# Altium PCB main_pcb.PcbDoc
Units mm, origin at the board's own origin, x right, y up, seen from the top; angles counter-clockwise.
Board outline 91.82 x 45.09 mm, 4 copper layers (Top Layer, GND, PWR, Bottom Layer), stack 1.632 mm thick; 105 components, 51 nets, 306 pads, 165 vias.
Unrouted connection lines stored in the file: 44.
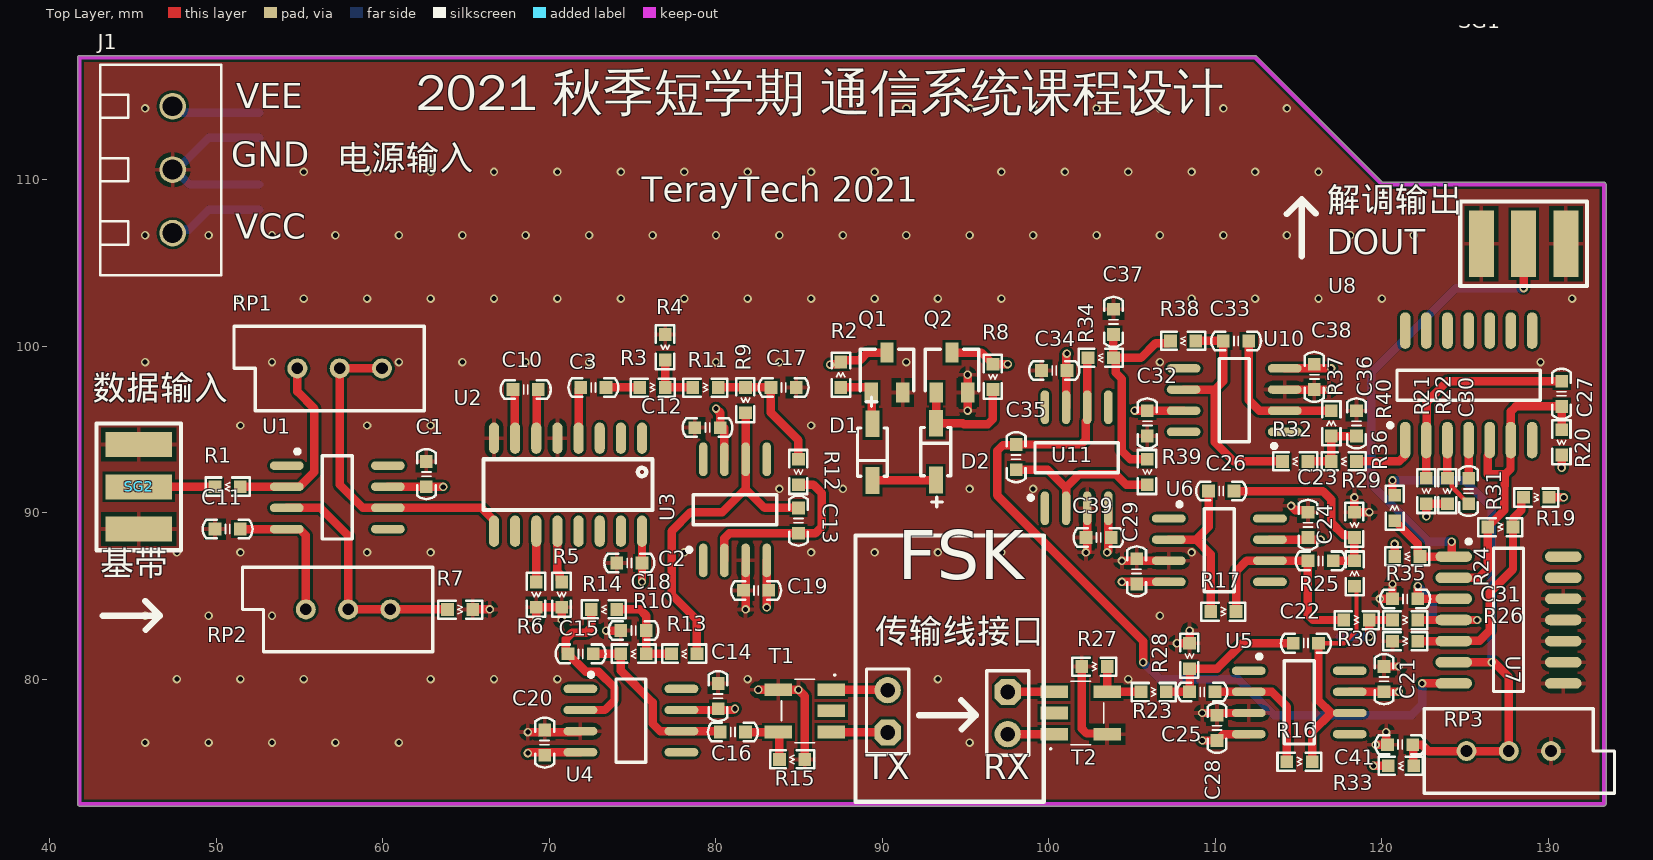
[diagram p0: Top Layer view]
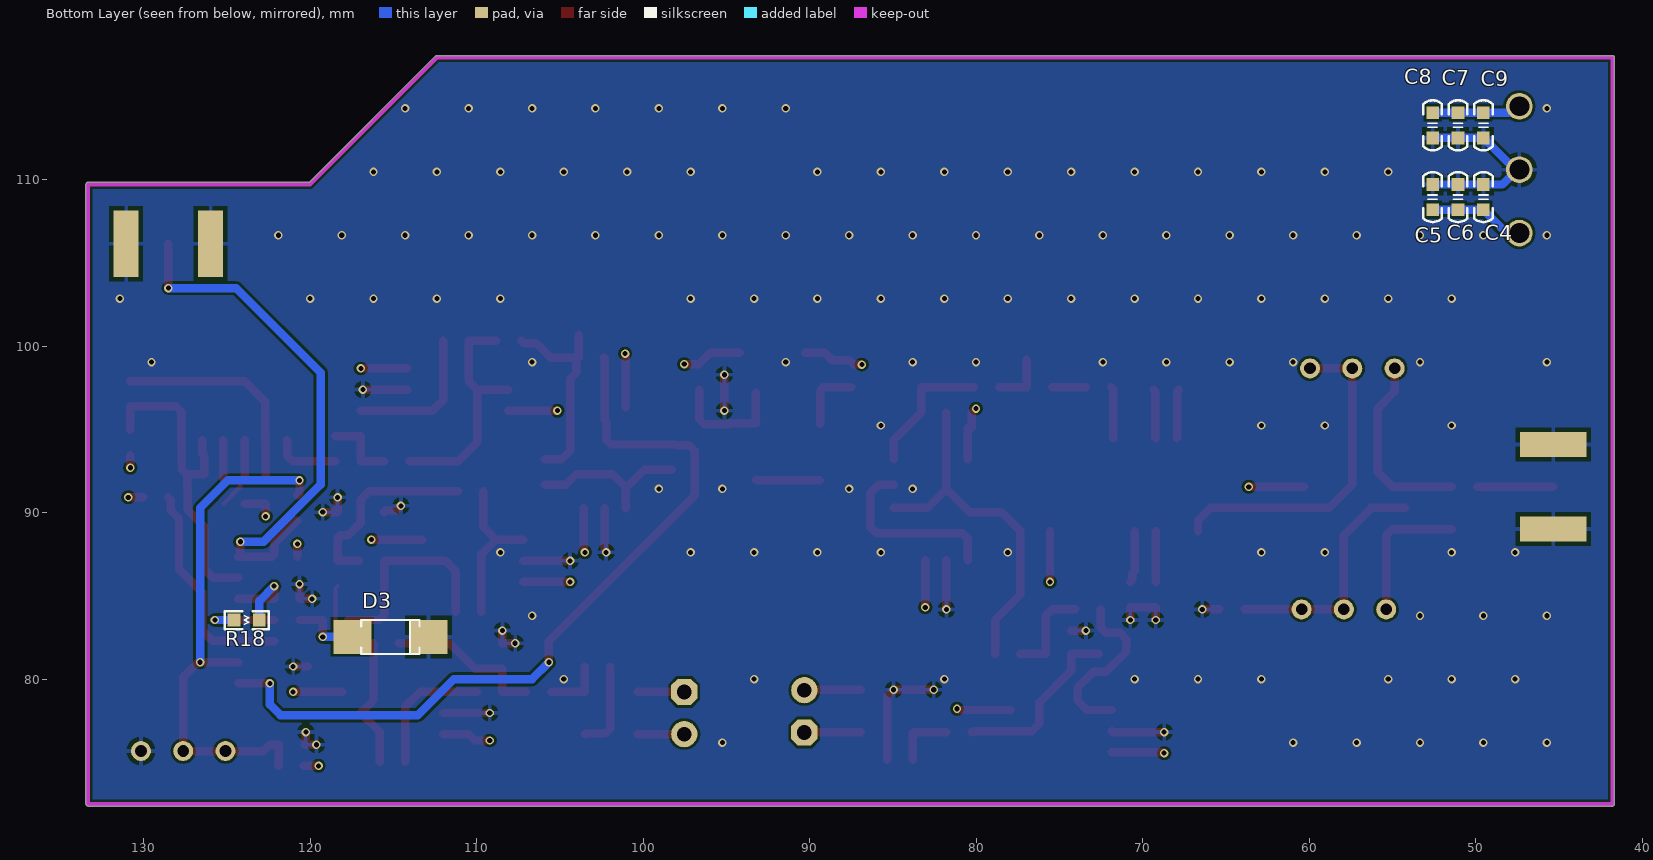
[diagram p1: Bottom Layer view, seen from below]
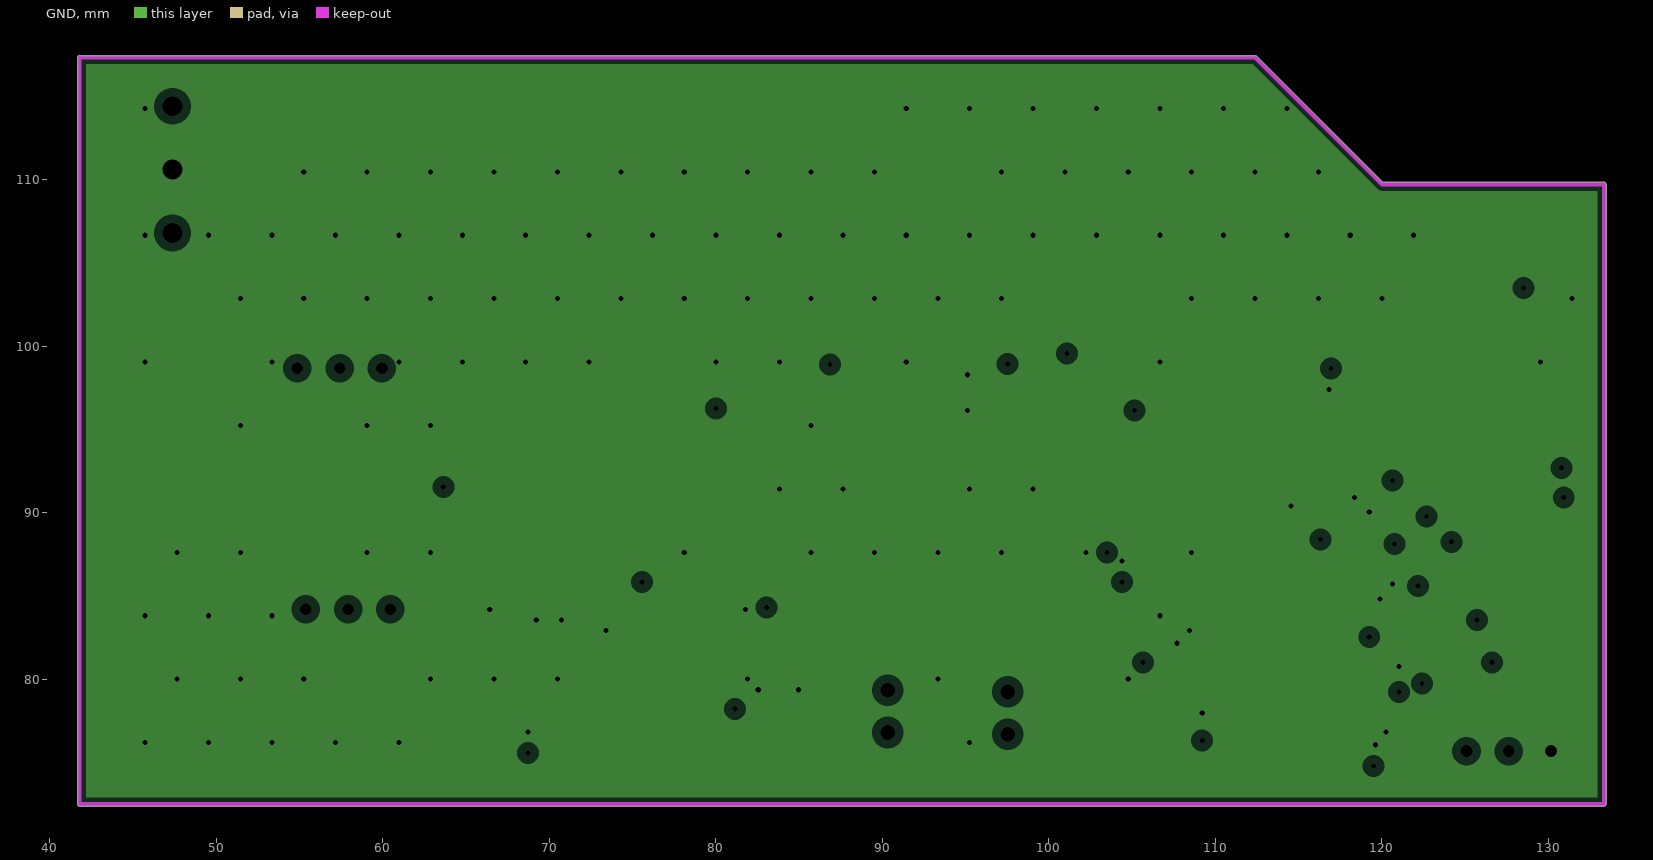
[diagram p2: GND, clearances drawn from the general rule]
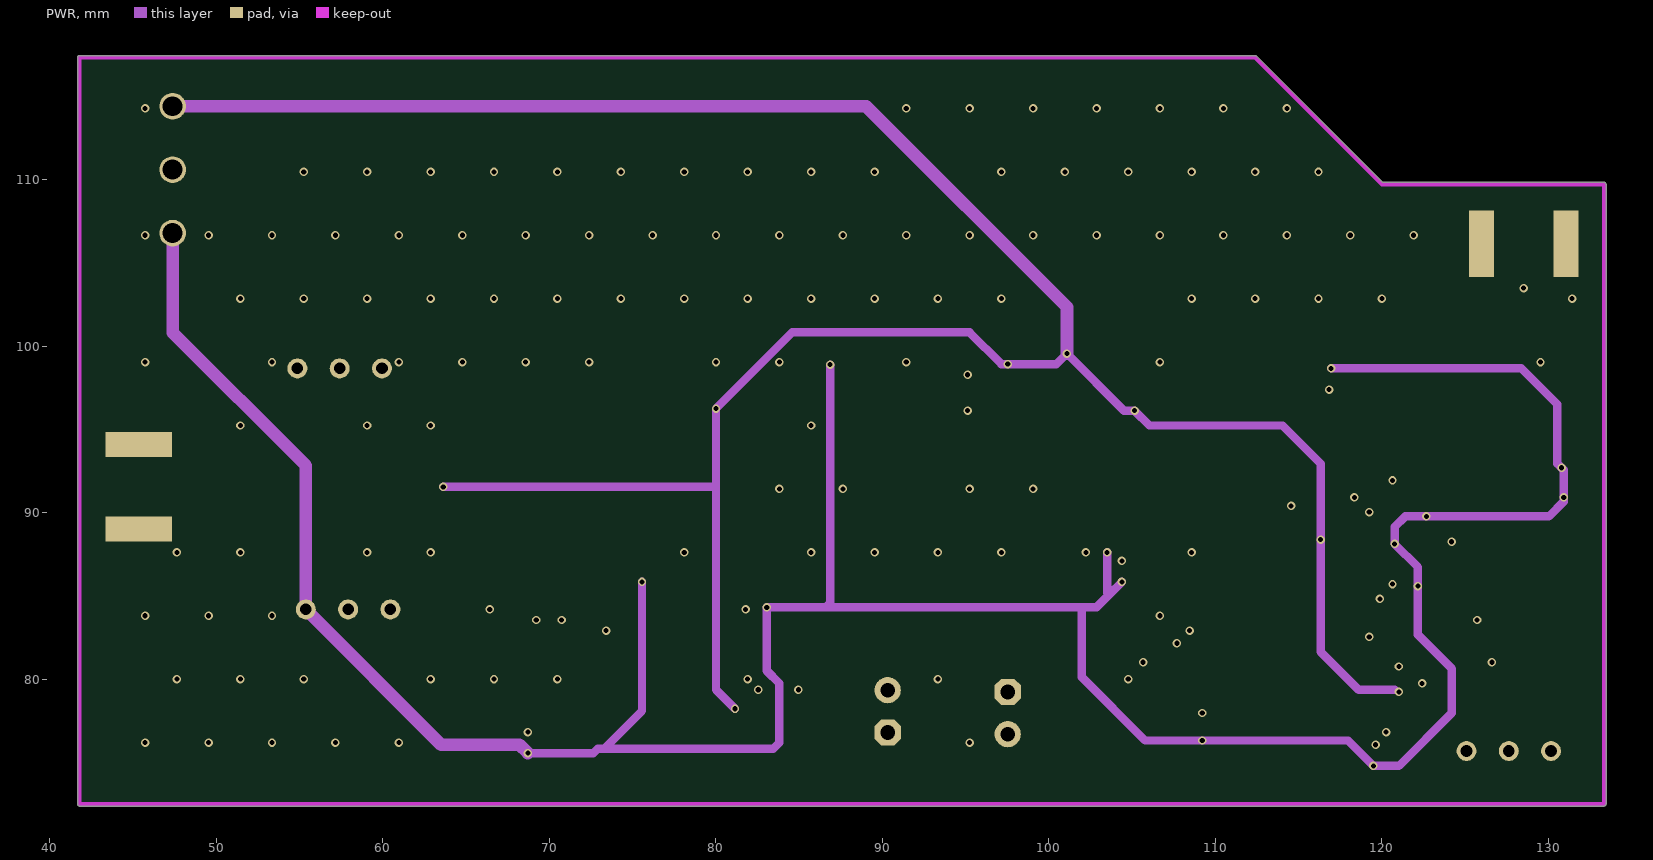
[diagram p3: PWR]
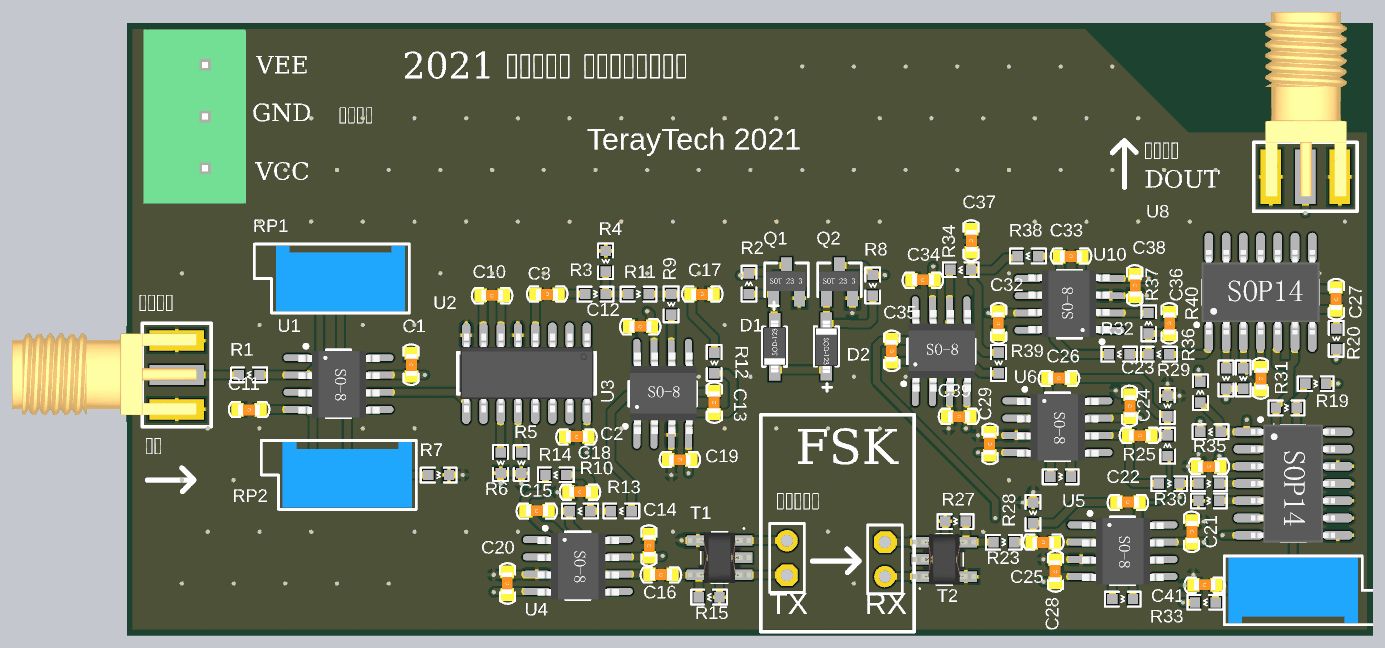
[diagram p4: 3D render of the assembled board from above, using the file's embedded part models]
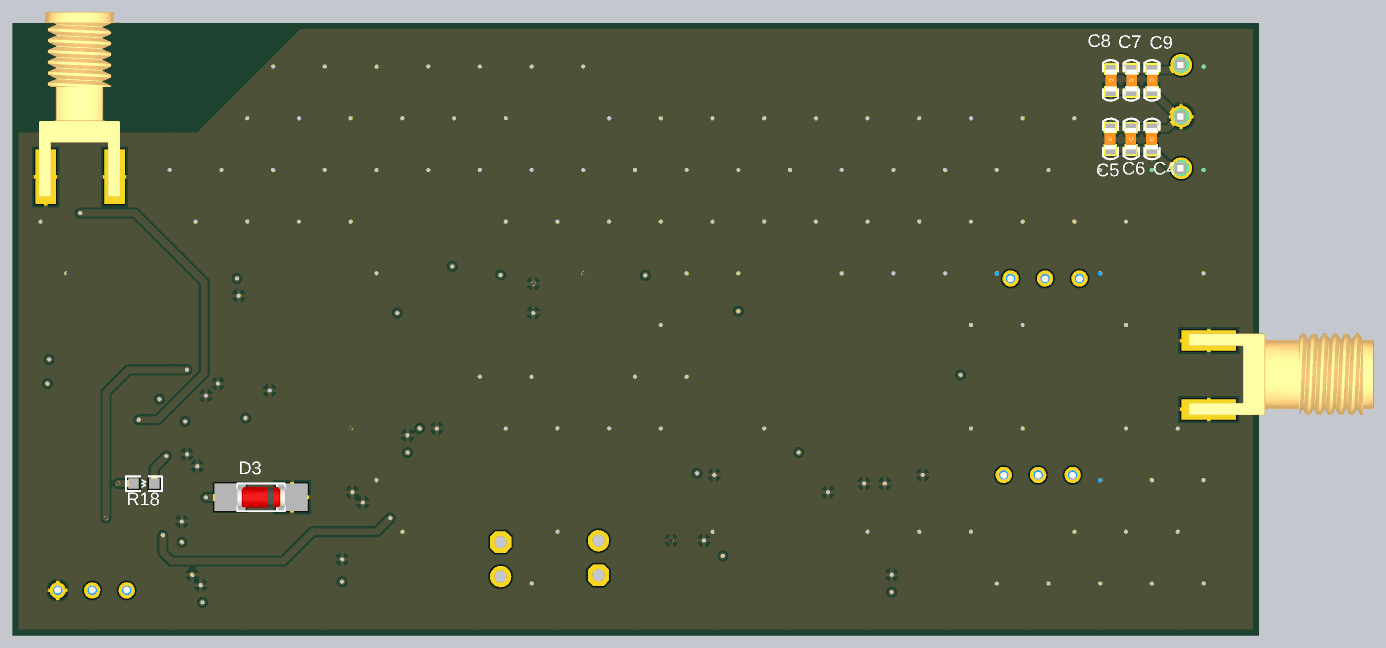
[diagram p5: 3D render of the assembled board from below, using the file's embedded part models]

## Layer stack, top to bottom
Top Solder: solder mask 0.0102, Solder Resist, Dk 3.5
Top Layer: signal copper 0.0356
Dielectric 2: prepreg 0.0711, PP-006, Dk 4.1
GND: plane copper 0.035, net GND
Dielectric 3: prepreg 1.1, PP-006, Dk 4.1
PWR: signal copper 0.035
Dielectric 1: dielectric 0.32, FR-4, Dk 4.8
Bottom Layer: signal copper 0.0356
Bottom Solder: solder mask 0.0102, Solder Resist, Dk 3.5

## Board outline
41.783,72.39 cw(c41.783,72.517) 41.656,72.517 41.656,117.348 cw(c41.783,117.348) 41.783,117.475 112.395,117.475 cw(c112.395,117.348) 112.486,117.438 112.485,117.438 120.068,109.855 133.35,109.855 cw(c133.35,109.728) 133.477,109.728 133.477,72.517 cw(c133.35,72.517) 133.35,72.39

## Design rules (kind name [scope] priority, off if disabled: settings)
Clearance [All] p1: gap=0.152 ignorepadtopadclearanceinfootprint=FALSE except(0: Arc-Hole Track-Hole SMDPad-Hole THPad-Hole Via-Hole Fill-Hole Poly-Hole Region-Hole Text-Hole; 0.254: Arc-Text Track-Text SMDPad-Text THPad-Text Via-Text Fill-Text Poly-Text Region-Text Text-Text)
PlaneClearance [All] p1: clearance=0.508
PlaneConnect [All] p1: planeconnectstyle=Direct reliefexpansion=0.508 reliefentries=4 reliefconductorwidth=0.254 reliefairgap=0.254
PolygonConnect [All] p1: connectstyle=Relief reliefconductorwidth=0.254 reliefentries=4 polygonreliefangle="90 Angle" airgapwidth=0.254
RoutingVias [All] p1: holewidth=0.305 width=0.508 viastyle="Through Hole" minholewidth=0.305 minwidth=0.508 maxholewidth=0.711 maxwidth=1.27
SolderMaskExpansion [All] p1: expansion=0.102 istentingtop=FALSE
Width [All] p1: maxlimit=0.762 minlimit=0.152 preferedwidth=0.254 toplayer_maxwidth=0.508 midlayer1_minwidth=0.254 bottomlayer_maxwidth=0.508 minimp=50.000000 maximp=50.000000 favimp=50.000000
28 further rules are at their usual default settings.

## Components (designator, comment, footprint, x,y, rotation, side; value= is the part's Value field where it differs from the comment)
C1 "0.1uF" 0603_C 62.611,92.329 r270 top value=104
C2 "0.1uF" 0603_C 74.803,86.995 r0 top value=104
C3 "0.1uF" 0603_C 72.644,97.536 r180 top value=104
C4 "0.1uF" 0603_C 49.53,108.966 r90 bottom value=104
C5 "0.1uF" 0603_C 52.578,108.966 r90 bottom value=104
C6 "0.1uF" 0603_C 51.054,108.966 r90 bottom value=104
C7 "0.1uF" 0603_C 51.054,113.284 r270 bottom value=104
C8 "0.1uF" 0603_C 52.578,113.284 r270 bottom value=104
C9 "0.1uF" 0603_C 49.53,113.284 r270 bottom value=104
C10 "3300pF" 0603_C 68.58,97.409 r0 top value=104
C11 "0.1uF" 0603_C 50.673,89.027 r180 top value=104
C12 "0.1uF" 0603_C 79.502,95.123 r0 top value=104
C13 "15pF" 0603_C 84.963,89.535 r90 top value=104
C14 "0.1uF" 0603_C 80.137,78.994 r270 top value=104
C15 "91pF" 0603_C 71.882,81.534 r0 top value=104
C16 "0.1uF" 0603_C 81.026,76.835 r0 top value=104
C17 "220pF" 0603_C 84.074,97.536 r180 top value=104
C18 "220pF" 0603_C 75.057,82.931 r0 top value=104
C19 "0.1uF" 0603_C 82.423,85.344 r180 top value=104
C20 "0.1uF" 0603_C 69.723,76.2 r90 top value=104
C21 "0.1uF" 0603_C 120.142,80.01 r270 top value=104
C22 "15pF" 0603_C 115.443,82.169 r0 top value=104
C23 "0.1uF" 0603_C 115.57,89.281 r270 top value=104
C24 "15pF" 0603_C 116.332,87.122 r180 top value=104
C25 "100pF" 0603_C 109.22,79.248 r180 top value=104
C26 "100pF" 0603_C 110.363,91.313 r0 top value=104
C27 "220pF" 0603_C 130.81,97.155 r90 top value=104
C28 "0.1uF" 0603_C 110.109,77.089 r90 top value=104
C29 "0.1uF" 0603_C 105.283,86.487 r90 top value=104
C30 "220pF" 0603_C 125.222,91.313 r270 top value=104
C31 "0.1uF" 0603_C 121.412,84.836 r180 top value=104
C32 "0.1uF" 0603_C 105.918,95.377 r90 top value=104
C33 "33pF" 0603_C 111.252,100.33 r180 top value=104
C34 "0.1uF" 0603_C 100.33,98.552 r0 top value=104
C35 "680pF" 0603_C 98.044,93.345 r90 top value=104
C36 "10nF" 0603_C 118.491,95.377 r270 top value=104
C37 "220pF" 0603_C 103.886,101.473 r270 top value=104
C38 "0.1uF" 0603_C 115.951,98.171 r270 top value=104
C39 "0.1uF" 0603_C 102.997,88.519 r180 top value=104
C41 "0.1uF" 0603_C 121.108,76.073 r0 top value=104
D1 "1N5819" SOD123 89.408,95.348 r90 top
D2 "1N5819" SOD123 93.218,91.977 r270 top
D3 "4148" DIODE_SOIC 114.935,82.677 r0 bottom
J1 "FK_CONN_3PIN" FK_CONN_3pin 47.371,106.807 r90 top
Q1 "NPN2" SOT-23-3 88.075,99.501 r0 top
Q2 "PNP2" SOT-23-3 91.983,99.501 r0 top
R1 "1K R0603" 0603_R 50.673,91.567 r0 top value=1K
R2 "10K R0603" 0603_R 87.503,98.298 r270 top value=1K
R3 "4.7K R0603" 0603_R 76.2,97.536 r180 top value=1K
R4 "1K R0603" 0603_R 76.962,99.949 r90 top value=1K
R5 "15K R0603" 0603_R 70.739,85.09 r90 top value=1K
R6 "2.4K R0603" 0603_R 69.215,85.09 r90 top value=1K
R7 "4.7K R0603" 0603_R 64.643,84.201 r180 top value=1K
R8 "100 R0603" 0603_R 96.647,98.171 r90 top value=1K
R9 "75K R0603" 0603_R 81.788,96.774 r90 top value=1K
R10 "33K R0603" 0603_R 75.057,81.534 r0 top value=1K
R11 "75K R0603" 0603_R 79.375,97.536 r180 top value=1K
R12 "62K R0603" 0603_R 84.963,92.456 r90 top value=1K
R13 "33K R0603" 0603_R 78.105,81.534 r0 top value=1K
R14 "15K R0603" 0603_R 73.279,84.201 r0 top value=1K
R15 "100 R0603" 0603_R 84.582,75.184 r0 top value=1K
R16 "200K R0603" 0603_R 115.062,75.057 r180 top value=1K
R17 "200K R0603" 0603_R 110.49,84.074 r180 top value=1K
R18 "100K R0603" 0603_R 123.825,83.566 r0 bottom value=1K
R19 "100K R0603" 0603_R 129.286,90.932 r180 top value=1K
R20 "5.1K R0603" 0603_R 130.81,94.234 r90 top value=1K
R21 "10K R0603" 0603_R 122.682,91.313 r90 top value=1K
R22 "10K R0603" 0603_R 123.952,91.313 r90 top value=1K
R23 "33K R0603" 0603_R 106.299,79.248 r180 top value=1K
R24 "33K R0603" 0603_R 118.364,86.36 r270 top value=1K
R25 "5.1K R0603" 0603_R 118.491,83.566 r180 top value=1K
R26 "5.1K R0603" 0603_R 121.412,83.566 r180 top value=1K
R27 "100 R0603" 0603_R 102.743,80.772 r180 top value=1K
R28 "2.7K R0603" 0603_R 108.458,81.407 r90 top value=1K
R29 "3.9K R0603" 0603_R 118.364,89.281 r90 top value=1K
R30 "10K R0603" 0603_R 121.412,82.296 r180 top value=1K
R31 "100K R0603" 0603_R 127.127,89.154 r180 top value=1K
R32 "13K R0603" 0603_R 114.808,93.091 r0 top value=1K
R33 "40K R0603" 0603_R 121.158,74.803 r0 top value=1K
R34 "4.7K R0603" 0603_R 103.124,99.314 r0 top value=1K
R35 "5.1K R0603" 0603_R 121.539,87.376 r0 top value=1K
R36 "13K R0603" 0603_R 117.729,93.091 r0 top value=1K
R37 "15K R0603" 0603_R 116.967,95.377 r270 top value=1K
R38 "4.7K R0603" 0603_R 108.077,100.33 r0 top value=1K
R39 "10K R0603" 0603_R 105.918,92.456 r90 top value=1K
R40 "10M R0603" 0603_R 120.777,90.297 r270 top value=1K
RP1 "RPot" RPot 57.404,98.679 r180 top value=10K
RP2 "RPot" RPot 57.912,84.201 r180 top value=10K
RP3 "RPot" RPot 127.635,75.692 r0 top value=10K
RX "header" header2 97.536,79.248 r270 top (schematic designator JP2)
SG1 "DATA OUT" SMA-2 128.524,106.172 r180 top
SG2 "SMA-KHD" SMA-2 45.339,91.567 r270 top
T1 "MCL TC1-1T+" TC1-1T 85.344,78.105 r270 top
T2 "MCL TC1-1T+" TC1-1T 101.915,77.978 r90 top
TX "header" header2 90.322,76.81 r90 top (schematic designator JP1)
U1 "TI-OPA-8_1" SOIC-8 57.168,90.879 r270 top
U2 "cd4046" SOIC-16 75.565,94.488 r180 top
U3 "TI-OPA-8_1" SOIC-8 81.206,90.087 r0 top
U4 "TI-OPA-8_1" SOIC-8 74.803,77.47 r270 top
U5 "TI-OPA-8_1" SOIC-8 114.953,78.56 r270 top
U6 "TI-OPA-8_1" SOIC-8 110.153,87.704 r270 top
U7 "LM339A" SOIC-14 127.622,83.693 r270 top
U8 "74LS02" SOIC-14 125.095,97.663 r0 top
U10 "TI-OPA-8_1" SOIC-8 111.234,96.827 r90 top
U11 "TI-OPA-8_1" SOIC-8 101.727,93.218 r0 top

## Footprints (in the part's own frame and the unit in brackets; to place one, negate y for a bottom-side part, rotate by r counter-clockwise, add the part's x,y. Pads: shape width x height; smd on the part's side, far side on the other; paste and mask are expansions set on the pad)
0603_C [mil] "Capacitor"
  rect 30x30 smd: 1(-30,0) 2(30,0)
  silkscreen extent -59,-22 59,22, body extent -51,-18 52,21, height 35
0603_R [mil]
  rect 30x30 smd: 1(-30,0) 2(30,0)
  silkscreen extent -52,-21 52,22, body extent -34,-19 34,19, height 39
DIODE_SOIC [mil] "Magnetic-Core Inductor with Winding Polarity Marking; 2 Leads"
  rect 90x80 smd: 1(-80,5) 2(100,5)
  silkscreen extent -59,-35 79,45, body extent -59,-25 79,35, height 59
FK_CONN_3pin [mm]
  round 1.6 hole 1.2: 1(0,0) 2(3.81,0) 3(7.62,0)
  silkscreen extent -2.54,-2.92 10.11,4.34, body extent -2.6,-3.05 10.22,4.5, height 9.35
header2 [mil]
  round 1 on Mech3: 0(51,1)
  oct 62x62 hole 35: 1(0,0)
  round 62 hole 35: 2(100,0)
  silkscreen extent -50,-50 150,50
RPot [mm] "Potentiometer; 3 Leads"
  round 1.2 hole 0.7: 1(-2.54,0) 2(0,0) 3(2.54,0)
  silkscreen extent -5.08,-2.54 6.35,2.54, body extent -4.76,-2.41 4.76,2.42, height 9.53
SMA-2 [mm]
  rect 1.5x4 all layers, no hole: 1(-2.54,0) 1(2.54,0)
  rect 1.5x4 smd: 2(0,0)
  silkscreen extent -3.81,-2.54 3.81,2.54, body extent -3.05,-12.13 2.95,1.47, height 3.2
SOD123 [mm] "1206"
  rect 1.6x0.85 smd: 1(0,0) 2(-3.4,0)
  silkscreen extent -3.15,-0.9 1.6,0.9, body extent -3.6,-0.85 0.25,0.85, height 1.42
SOIC-8 [mil]
  oval 20x80 smd: 1(-77.09,-115.71) 2(-27.09,-115.71) 3(22.91,-115.71) 4(72.91,-115.71) 5(72.91,123.27) 6(22.91,123.27) 7(-27.09,123.27) 8(-77.09,123.27)
  silkscreen extent -115,-96 96,39, body extent -96,-113 96,123, height 67
SOIC-14 [mm]
  oval 0.635x2.2 smd: 1(-3.683,-3.289) 2(-2.413,-3.289) 3(-1.143,-3.289) 4(0.127,-3.289) 5(1.397,-3.289) 6(2.667,-3.289) 7(3.937,-3.289) 8(3.937,3.289) 9(2.667,3.289) 10(1.397,3.289) 11(0.127,3.289) 12(-1.143,3.289) 13(-2.413,3.289) 14(-3.683,3.289)
  silkscreen extent -4.71,-2.52 4.43,0.9, body extent -4.22,-3.1 4.48,3.1, height 1.61
SOIC-16 [mil]
  oval 24x74 smd: 1(0,0) 2(50,0) 3(100,0) 4(150,0) 5(200,0) 6(250,0) 7(300,0) 8(350,0) 9(350,220) 10(300,220) 11(250,220) 12(200,220) 13(150,220) 14(100,220) 15(50,220) 16(0,220)
  silkscreen extent -25,50 375,170, body extent -19,-5 367,223, height 69
SOT-23-3 [mm]
  rect 0.8x1.2 smd: 1(1.257,-2.273) 2(3.157,-2.273) 3(2.207,0.127)
  silkscreen extent 0.61,-2.17 3.81,0.33, body extent 0.71,-2.42 3.61,0.38
TC1-1T [mm] "smaller transformer footprint"
  rect 0.76x1.65 smd: 1(-1.27,1.59) 2(0,1.59) 3(1.27,1.59) 4(1.27,-1.59) 5(-1.27,-1.59)
  silkscreen extent -2.2,-1.4 1.91,1.85, body extent -1.86,-2.33 1.86,2.33, height 2.88

## Part data
C1 C2 C3 C4 C5 C6 C7 C8 C9 C10 C11 C12 C13 C14 C15 C16 C17 C18 C19 C20 C21 C22 C23 C24 C25 C26 C27 C28 C29 C30 C31 C32 C33 C34 C35 C36 C37 C38 C39 C41: library part CAP, "Capacitor", LatestRevisionDate=17-Jul-2002, LatestRevisionNote="Re-released for DXP Platform.", PackageReference=RAD-0.3, Published=8-Jun-2000, Publisher="Altium Limited"
D1 D2: "40V 1A PEAK 25a"
D3: library part 1N4148, "High Conductance Fast Diode", Code_JEDEC=DO-204-AH, ComponentLink1Description="Manufacturer Link", ComponentLink1URL=http://www.fairchildsemi.com/, ComponentLink2Description=Datasheet, ComponentLink2URL=http://www.fairchildsemi.com/ds/1N%2F1N4448.pdf, DatasheetDocument=1997, LatestRevisionDate=17-Jul-2002, LatestRevisionNote="Re-released for DXP Platform.", PackageReference=DO-35, Published=8-Jun-2000, Publisher="Altium Limited"
Q1 Q2: "贴片"
  Q2: Code_JEDEC=SOT-23, LatestRevisionDate=17-Jul-2002, LatestRevisionNote="Re-released for DXP Platform.", PackageReference=SOT-23B, Published=8-Jun-2000, Publisher="Altium Limited"
R1 R2 R3 R4 R5 R6 R7 R8 R9 R10 R11 R12 R13 R14 R15 R16 R17 R18 R19 R20 R21 R22 R23 R24 R25 R26 R27 R28 R29 R30 R31 R32 R33 R34 R35 R36 R37 R38 R39 R40: library part RES, "Resistor", Published=8-Jun-2000, Publisher="Altium Limited", Revision="July-2002: Re-released for DXP Platform."
RP1 RP2 RP3: "Potentiometer", LatestRevisionDate=17-Jul-2002, LatestRevisionNote="Re-released for DXP Platform.", PackageReference=VR5, Published=8-Jun-2000, Publisher="Altium Limited", Set Position=0.5, Sim Note="Enter the Resistance value and the set point into parameter fields."
RX TX: library part "HEADER 2"
SG1 SG2: library part SMA_KHD
T1 T2: library part TC1-1T+

## Via types
v1: diameter 0.508, hole 0.305, Top Layer to Bottom Layer, tented both sides, 165 vias

## Nets (pads, with @x,y where several pads share a name; then routed paths per layer and width w, separated by ;. In a path a pad name is that pad's centre, name@x,y a point inside that pad or via, vN(x,y) a via of type N, cw(c..) or ccw(c..) an arc to the next point about the centre after c; other vN are vias at no path point)
DATA_IN: R1.1 SG2.2 | length 4.6
  Top Layer w0.508: SG2.2 R1.1
GND: C1.1 C2.1 C4.2 C5.2 C6.2 C7.2 C8.2 C9.2 C11.2 C12.1 C14.1 C17.1 C18.1 C19.2 C20.2 C21.1 C23.1 C28.2 C29.2 C31.2 C32.1 C34.1 C36.1 C37.1 C38.2 C39.2 C41.1 D3.1 J1.2 Q1.2 Q2.2 R4.2 R5.1 R6.1 R7.1 R15.2 R27.2 R28.2 R29.2 R30.2 RP3.3 SG1.1 SG2.1 T1.5 T2.5 U2.5 U2.8 U3.3 U4.3 U5.3 U6.3 U7.8 U7.9 U7.10 U7.11 U7.12 U10.3 U11.3 | length 56.3
  Top Layer w0.508: R7.1 v1(66.421,84.201) ; v1(68.707,76.835) 71.811,76.835 U4.3 ; v1(69.215,83.566) R6.1 R5.1 v1(70.739,83.566) ; v1(73.406,82.931) C18.1 ; v1(81.788,84.201) U3.3 ; v1(82.55,79.375) T1.5 v1(84.963,79.375) 85.344,78.994 R15.2 ; v1(95.123,96.139) 95.14,96.156 Q2.2 95.123,97.245 v1(95.123,98.298) ; R27.2 101.981,77.046 102.279,76.748 103.465,76.748 T2.5 ; v1(102.235,87.63) 102.309,87.704 U11.3 ; v1(104.394,87.122) U6.3 ; v1(107.696,82.169) R28.2 v1(108.458,82.931) ; v1(109.22,77.978) U5.3 ; U10.3 C38.2 v1(116.84,97.409) ; v1(114.554,90.424) 114.808,90.17 115.443,90.17 C23.1 ; v1(118.364,90.932) R29.2 v1(119.253,90.043) ; v1(119.634,76.073) C41.1 120.269,76.15 v1(120.269,76.835) ; v1(119.888,84.836) C31.2 v1(120.65,85.725) ; C21.1 v1(121.031,80.772)
  Bottom Layer w0.508: J1.2 J1.2@47.498,110.617 ; C5.2 C6.2 C4.2 48.387,109.728 J1.2@47.498,110.617 ; C8.2 C7.2 C9.2 47.625,110.617 J1.2@47.498,110.617
  other v1: 45.72,76.2 49.53,76.2 53.34,76.2 57.15,76.2 60.96,76.2 95.25,76.2 47.625,80.01 51.435,80.01 55.245,80.01 62.865,80.01 66.675,80.01 70.485,80.01 81.915,80.01 93.345,80.01 104.775,80.01 45.72,83.82 49.53,83.82 53.34,83.82 106.68,83.82 47.625,87.63 51.435,87.63 59.055,87.63 62.865,87.63 78.105,87.63 85.725,87.63 89.535,87.63 93.345,87.63 97.155,87.63 108.585,87.63 83.82,91.44 87.63,91.44 95.25,91.44 99.06,91.44 51.435,95.25 59.055,95.25 62.865,95.25 85.725,95.25 45.72,99.06 53.34,99.06 60.96,99.06 64.77,99.06 68.58,99.06 72.39,99.06 80.01,99.06 83.82,99.06 91.44,99.06 106.68,99.06 129.54,99.06 51.435,102.87 55.245,102.87 59.055,102.87 62.865,102.87 66.675,102.87 70.485,102.87 74.295,102.87 78.105,102.87 81.915,102.87 85.725,102.87 89.535,102.87 93.345,102.87 97.155,102.87 108.585,102.87 112.395,102.87 116.205,102.87 120.015,102.87 131.445,102.87 45.72,106.68 49.53,106.68 53.34,106.68 57.15,106.68 60.96,106.68 64.77,106.68 68.58,106.68 72.39,106.68 76.2,106.68 80.01,106.68 83.82,106.68 87.63,106.68 91.44,106.68 95.25,106.68 99.06,106.68 102.87,106.68 106.68,106.68 110.49,106.68 114.3,106.68 118.11,106.68 121.92,106.68 55.245,110.49 59.055,110.49 62.865,110.49 66.675,110.49 70.485,110.49 74.295,110.49 78.105,110.49 81.915,110.49 85.725,110.49 89.535,110.49 97.155,110.49 100.965,110.49 104.775,110.49 108.585,110.49 112.395,110.49 116.205,110.49 45.72,114.3 91.44,114.3 95.25,114.3 99.06,114.3 102.87,114.3 106.68,114.3 110.49,114.3 114.3,114.3
NetC3_1: C3.1 R3.2 | length 2
  Top Layer w0.508: C3.1 R3.2
NetC3_2: C3.2 U2.4 | length 3.1
  Top Layer w0.508: U2.4 71.774,94.507 71.774,97.428 C3.2
NetC10_1: C10.1 U2.7 | length 3
  Top Layer w0.508: C10.1 67.926,97.301 67.926,94.507 U2.7
NetC10_2: C10.2 U2.6 | length 3
  Top Layer w0.508: U2.6 69.234,94.507 69.234,97.301 C10.2
NetC13_1: C13.1 R12.1 U3.2 | length 11.1
  Top Layer w0.508: U3.2 80.518,88.475 80.816,88.773 C13.1 85.979,88.773 86.36,89.154 86.36,91.186 85.852,91.694 R12.1
NetC13_2: C13.2 R9.1 R13.2 U3.6 | length 21.7
  Top Layer w0.508: R13.2 78.867,83.566 77.343,85.09 77.343,88.9 78.486,90.043 80.391,90.043 81.788,91.44 ; R9.1 U3.6 81.788,91.44 ; C13.2 82.931,90.297 81.788,91.44
NetC15_1: C15.1 R14.1 U4.2 | length 10.5
  Top Layer w0.508: U4.2 73.332,78.158 73.914,78.74 73.914,79.502 72.962,80.454 72.2,80.454 C15.1 70.993,81.661 70.993,82.423 71.374,82.804 72.219,82.804 72.517,83.102 R14.1
NetC15_2: C15.2 C16.1 R10.1 U4.6 | length 10.9
  Top Layer w0.508: C15.2 R10.1 74.295,80.518 76.2,78.613 76.2,77.343 76.655,76.888 U4.6 80.211,76.888 C16.1
NetC16_2: C16.2 R15.1 T1.4 | length 3.6
  Top Layer w0.508: C16.2 T1.4 83.82,76.769 R15.1
NetC17_2: C17.2 R9.2 R11.1 R12.2 | length 8.2
  Top Layer w0.508: R11.1 R9.2 C17.2 83.312,96.012 84.963,94.361 R12.2
NetC18_2: C18.2 R10.2 R13.1 R14.2 | length 5.7
  Top Layer w0.508: R14.2 75.438,84.201 75.819,83.82 C18.2 R10.2 R13.1
NetC22_1: C22.1 C25.2 R23.1 R28.1 | length 9.6
  Top Layer w0.508: R23.1 C25.2 R28.1 110.109,80.645 111.633,82.169 C22.1
NetC22_2: C22.2 R16.1 R24.2 U5.6 | length 13.2
  Top Layer w0.254: C22.2 117.729,82.169 118.491,82.931 118.491,85.471 R24.2
  Top Layer w0.508: R16.1 115.824,76.835 116.967,77.978 116.205,78.74 C22.2
NetC24_1: C24.1 C26.2 R24.1 R29.1 | length 11.9
  Top Layer w0.508: C26.2 116.459,91.313 116.967,90.805 116.967,89.408 117.729,88.646 118.237,88.646 R29.1 R24.1 C24.1
NetC24_2: C24.2 R17.1 R25.2 U6.6 | length 12.5
  Top Layer w0.508: R17.1 111.252,86.487 111.887,87.122 U6.6 C24.2 115.57,83.864 115.868,83.566 R25.2
NetC25_1: C25.1 R16.2 U5.2 | length 8
  Top Layer w0.508: C25.1 U5.2 113.411,79.248 114.3,78.359 R16.2
NetC26_1: C26.1 R17.2 U6.2 | length 9.5
  Top Layer w0.508: U6.2 108.839,88.392 ; C26.1 109.601,89.154 108.839,88.392 ; R17.2 109.728,87.503 108.839,88.392
NetC27_1: C27.1 R20.2 R31.2 U7.2 U8.5 U8.6 | length 20
  Top Layer w0.508: U7.2 125.857,86.106 126.365,86.614 R31.2 127.356,90.145 127.356,91.608 127.381,91.634 127.381,92.329 ; U8.5 126.492,93.557 126.365,93.43 126.365,92.329 127.44,92.329 127.738,92.627 127.738,94.35 U8.6 127.762,96.095 128.06,96.393 C27.1 R20.2
NetC27_2: C27.2 R21.2 U8.2 | length 13.2
  Top Layer w0.508: R21.2 U8.2 122.706,94.398 122.706,96.671 123.952,97.917 C27.2
NetC30_1: C30.1 U8.4 | length 2.3
  Top Layer w0.508: C30.1 U8.4
NetC30_2: C30.2 R22.2 U8.3 | length 4.3
  Top Layer w0.254: R22.2 124.206,91.821 124.206,91.567 C30.2
  Top Layer w0.508: R22.2 U8.3
NetC33_1: C33.1 R37.1 U10.2 | length 8.8
  Top Layer w0.508: C33.1 112.014,96.774 112.649,96.139 U10.2 R37.1
NetC33_2: C33.2 R32.1 R38.2 U10.6 | length 14.4
  Top Layer w0.508: U10.6 109.982,97.409 ; R38.2 C33.2 110.49,97.917 109.982,97.409 ; R32.1 111.125,93.091 109.982,94.234 109.982,97.409
NetC35_1: C35.1 R39.1 U11.2 | length 9.9
  Top Layer w0.508: C35.1@98.298,92.583 99.949,92.583 101.039,91.493 ; U11.2 101.039,91.514 101.854,92.329 104.013,92.329 104.648,91.694 R39.1
NetC35_2: C35.2 R34.1 U7.7 U11.6 | length 48.3
  Top Layer w0.508: C35.2 98.013,94.076 97.251,94.076 96.901,93.726 96.901,91.059 103.251,84.709 105.664,82.296 v1(105.664,81.026) ; C35.2@98.171,94.107 101.937,94.107 102.235,94.405 102.235,95.513 102.309,95.587 102.309,99.261 R34.1 ; v1(122.428,79.756) U7.7
  Bottom Layer w0.508: v1(105.664,81.026) 106.68,80.01 111.379,80.01 113.538,77.851 121.793,77.851 122.428,78.486 v1(122.428,79.756)
NetC36_2: C36.2 R32.2 R36.1 R37.2 | length 4.4
  Top Layer w0.508: R32.2 R36.1 R37.2 C36.2
NetC37_2: C37.2 R34.2 R38.1 R39.2 | length 12.5
  Top Layer w0.508: C37.2 R34.2 104.013,99.187 104.013,98.425 104.394,98.044 104.394,93.726 104.902,93.218 R39.2 ; R34.2@104.14,99.314 105.537,99.314 106.426,100.203 107.188,100.203 R38.1
NetC41_2: C41.2 R33.2 R40.1 RP3.1 RP3.2 U7.6 | length 31.9
  Top Layer w0.508: v1(120.65,91.948) 120.65,91.186 R40.1 ; R33.2 121.895,74.828 121.895,76.048 C41.2 122.428,76.073 122.809,75.692 RP3.1 RP3.2 127.635,80.137 v1@126.746,81.026 ; U7.6 v1@126.492,81.026
  Bottom Layer w0.508: v1(120.65,91.948) 124.968,91.948 126.619,90.297 v1(126.619,81.026)
NetD1_1: D1.1 Q1.1 R2.2 | length 4
  Top Layer w0.508: R2.2 89.186,97.536 89.332,97.39 Q1.1 89.37,97.19 89.37,95.386 D1.1
NetD1_2: D1.2 D2.1 | length 3.8
  Top Layer w0.508: D1.2 93.189,91.948 D2.1
NetD2_2: D2.2 Q2.1 R8.1 | length 7.2
  Top Layer w0.508: Q2.1 93.229,97.217 93.229,95.388 D2.2 94.847,95.377 94.891,95.333 96.349,95.333 96.647,95.631 R8.1
NetD3_2: D3.2 R25.1 R26.2 | length 4.2
  Top Layer w0.508: v1(119.253,82.55) R25.1 R26.2
  Bottom Layer w0.508: D3.2 v1(119.253,82.55)
NetJP1_1: T1.3 TX.1 | length 3.4
  Top Layer w0.508: T1.3 86.947,76.822 90.31,76.822 TX.1
NetJP1_2: T1.1 TX.2 | length 3.4
  Top Layer w0.508: T1.1 86.947,79.362 90.31,79.362 TX.2
NetJP2_1: RX.1 T2.3 | length 2.8
  Top Layer w0.508: RX.1 T2.3
NetJP2_2: RX.2 T2.1 | length 2.8
  Top Layer w0.508: RX.2 T2.1
NetR1_2: R1.2 RP1.3 U1.2 | length 11.5
  Top Layer w0.508: R1.2 U1.2 54.991,91.567 55.88,92.456 55.88,96.266 54.864,97.282 RP1.3
NetR5_2: R5.2 U2.12 | length 3.2
  Top Layer w0.508: U2.12 70.485,86.487 70.612,86.36 70.612,85.979 R5.2
NetR6_2: R6.2 U2.11 | length 3
  Top Layer w0.508: R6.2 U2.11
NetR7_2: R7.2 RP2.1 RP2.2 U1.3 | length 14.8
  Top Layer w0.508: U1.3 56.261,90.297 57.912,88.646 RP2.2 RP2.1 R7.2
NetR18_2: R18.2 R26.1 U7.4 | length 4.7
  Top Layer w0.508: R26.1 U7.4 v1(125.73,83.566)
  Bottom Layer w0.508: R18.2 v1(125.73,83.566)
NetR19_2: R19.2 R30.1 R31.1 U7.5 | length 13.4
  Top Layer w0.508: R30.1 U7.5 124.357,82.32 125.881,82.32 126.492,82.931 126.492,85.217 127.889,86.614 R31.1 127.889,89.662 128.397,90.17 128.397,90.805 R19.2
NetR23_2: R23.2 R27.1 T2.4 | length 3.6
  Top Layer w0.508: R27.1 T2.4 R23.2
NetR35_2: R35.2 R40.2 SG1.2 U7.1 | length 32.6
  Top Layer w0.508: R40.2 122.174,88.138 122.174,87.503 R35.2 U7.1@124.265,87.376 ; v1(124.206,88.265) 124.206,87.435 U7.1@124.265,87.376 ; U7.1 U7.1@124.265,87.376 ; v1(128.524,103.505) SG1.2
  Bottom Layer w0.508: v1(124.206,88.265) 122.809,88.265 119.38,91.694 119.38,98.425 124.46,103.505 v1(128.524,103.505)
SIG_IN: RP1.1 RP1.2 U1.6 U2.9 | length 20.3
  Top Layer w0.508: RP1.1 RP1.2 57.404,91.694 58.801,90.297 U1.6 65.913,90.297 66.675,89.535 U2.9
SIG_MID: R36.2 U8.1 | length 4
  Top Layer w0.508: R36.2 121.051,93.091 121.388,93.428 121.388,94.35 U8.1
VCC: C2.2 C4.1 C5.1 C6.1 C11.1 C19.1 C20.1 C28.1 C29.1 C31.1 C38.1 C39.1 J1.1 Q1.3 R2.1 R18.1 R19.1 R20.1 R21.1 R22.1 R33.1 R35.1 RP2.3 U1.4 U2.16 U3.4 U4.4 U5.4 U6.4 U7.3 U10.4 U11.4 | length 239.7
  Top Layer w0.508: C11.1 U1.4 54.991,89.027 55.372,88.646 RP2.3 ; v1(68.707,75.565) 68.76,75.618 U4.4 ; v1(75.565,85.852) C2.2 U2.16 ; v1(83.058,84.328) U3.4 ; v1(86.868,98.908) 86.893,98.933 87.376,98.933 R2.1 87.614,99.171 88.646,99.171 89.104,99.628 Q1.3 ; v1(103.505,87.63) 103.579,87.704 U11.4 ; v1(104.394,85.852) U6.4 ; v1(109.22,76.327) C28.1 110.49,76.708 U5.4 ; U10.4 v1(116.967,98.679) ; v1(119.507,74.803) R33.1 ; R35.1 v1(120.777,88.138) ; v1(122.174,85.598) C31.1 U7.3 ; v1(122.682,89.789) R21.1 R22.1 ; R19.1 v1(130.937,90.932) ; v1(130.81,92.71) R20.1
  PWR w0.508: v1(68.707,75.565) 72.644,75.565 72.898,75.819 73.279,75.819 ; v1(75.565,85.852) 75.565,78.105 73.279,75.819 ; v1(86.868,98.908) 86.868,84.582 86.614,84.328 ; v1(103.505,87.63) 103.505,85.217 103.632,85.09 ; v1(104.394,85.852) 103.632,85.09 ; v1(116.967,98.679) 128.397,98.679 130.556,96.52 130.556,92.964 v1(130.81,92.71) 130.937,92.583 v1(130.937,90.932) 130.937,90.678 130.048,89.789 v1(122.682,89.789) 121.412,89.789 120.777,89.154 v1(120.777,88.138) 122.174,86.741 v1(122.174,85.598) 122.174,82.677 124.206,80.645 124.206,77.978 121.031,74.803 v1(119.507,74.803) 117.983,76.327 v1(109.22,76.327) 105.791,76.327 101.981,80.137 101.981,84.328 ; 73.279,75.819 83.439,75.819 83.82,76.2 83.82,79.756 83.058,80.518 v1(83.058,84.328) 86.614,84.328 ; 86.614,84.328 101.981,84.328 ; 101.981,84.328 102.87,84.328 103.632,85.09
  PWR w0.762: J1.1 47.371,100.838 55.372,92.837 RP2.3 63.5,76.073 68.199,76.073 v1(68.707,75.565)
  Bottom Layer w0.508: J1.1 47.58,107.016 48.342,107.016 C4.1 C6.1 C5.1 ; v1(122.174,85.598) 123.063,84.709 R18.1
VCO_OUT: R3.1 R4.1 R11.2 | length 3.3
  Top Layer w0.508: R4.1 R3.1 R11.2
VEE: C1.2 C7.1 C8.1 C9.1 C12.2 C14.2 C21.2 C23.2 C32.2 C34.2 J1.3 Q2.3 R8.2 U1.7 U3.7 U4.7 U5.7 U6.7 U10.7 U11.7 | length 186.1
  Top Layer w0.508: U1.7 C1.2 v1(63.627,91.567) ; U4.7 81.079,78.158 v1(81.153,78.232) ; v1(80.01,96.266) 80.264,96.012 C12.2 ; U3.7 C12.2@80.518,95.123 ; Q2.3 95.952,99.628 R8.2 v1(97.536,98.933) ; U11.7 101.039,99.515 v1(101.092,99.568) ; v1(105.156,96.139) C32.2 U10.7 ; U6.7 v1(116.332,88.392) ; U5.7 C21.2 v1(121.031,79.248)
  PWR w0.508: v1(63.627,91.567) 79.883,91.567 80.01,91.694 ; v1(81.153,78.232) 80.01,79.375 80.01,91.694 ; 120.777,79.375 118.618,79.375 116.332,81.661 v1(116.332,88.392) 116.332,92.964 114.046,95.25 106.045,95.25 v1(105.156,96.139) 104.521,96.139 v1(101.092,99.568) 100.457,98.933 v1(97.536,98.933) 97.155,98.933 95.25,100.838 84.582,100.838 v1(80.01,96.266) 80.01,91.694
  PWR w0.762: J1.3 89.027,114.427 101.092,102.362 v1(101.092,99.568)
  Bottom Layer w0.508: J1.3 47.666,114.427 48.047,114.046 C9.1 C7.1 C8.1
pads on no net: RX.0 T1.2 T2.2 TX.0 U1.1 U1.5 U1.8 U2.1 U2.2 U2.3 U2.10 U2.13 U2.14 U2.15 U3.1 U3.5 U3.8 U4.1 U4.5 U4.8 U5.1 U5.5 U5.8 U6.1 U6.5 U6.8 U7.13 U7.14 U8.7 U8.8 U8.9 U8.10 U8.11 U8.12 U8.13 U8.14 U10.1 U10.5 U10.8 U11.1 U11.5 U11.8

## Polygon pours and split planes (outlines as drawn)
GND on Bottom Layer "GND_L04_P000" (solid, remove dead copper, pour order 0): 39.243,119.507 136.271,119.507 136.271,69.596 39.243,69.596
GND on Top Layer "GND_L01_P001" (solid, remove dead copper, pour order 1): 38.608,82.55 38.608,120.015 135.509,120.015 135.509,68.961 38.481,68.961 38.481,70.993
GND on GND (split plane): 119.707,109.494 119.784,109.431 119.872,109.384 119.968,109.355 120.068,109.345 132.967,109.345 132.967,72.9 42.166,72.9 42.166,116.965 112.236,116.965

## Keep-outs
Keep-Out Layer:
  lines w0.254: 41.783,86.36 41.783,117.348 112.395,117.348 120.015,109.728 133.35,109.728 133.35,72.517 41.783,72.517 41.783,86.614

## Silkscreen, mask and mechanical layers (free items; w line width, h text height)
Top Overlay:
  lines w0.254: 88.392,72.644 99.695,72.644 99.695,88.646 99.441,88.646 88.392,88.646 88.392,72.644
  lines w0.381: 43.18,83.82 46.601,83.82 45.754,82.973 ; 45.72,84.709 46.609,83.82 ; 92.202,77.851 95.623,77.851 94.776,77.004 ; 94.742,78.74 95.631,77.851 ; 114.3,107.95 115.189,108.839 ; 115.189,105.41 115.189,108.831 116.036,107.984
  text "VEE" at 51.183,113.792 h2.54
  text "2021 秋季短学期 通信系统课程设计" at 61.976,113.435 h3.81
  text "GND" at 50.881,110.27 h2.54
  text "电源输入" at 57.277,110.114 h2.54
  text "TerayTech 2021" at 75.565,108.174 h2.54
  text "VCC" at 51.136,105.952 h2.54
  text "解调输出 / DOUT" at 116.713,105.029 h2.54
  text "数据输入" at 42.547,96.291 h2.54
  text "基带" at 43.008,85.734 h2.54
  text "FSK" at 90.936,85.009 h5.08
  text "传输线接口" at 89.537,81.668 h2.54
Drill Drawing:
  text ".legend" at 44.196,119.92 h1.52